# Altium PCB DCI_MB1137 - saved2.PcbDoc (part 1 of 2) (continued)
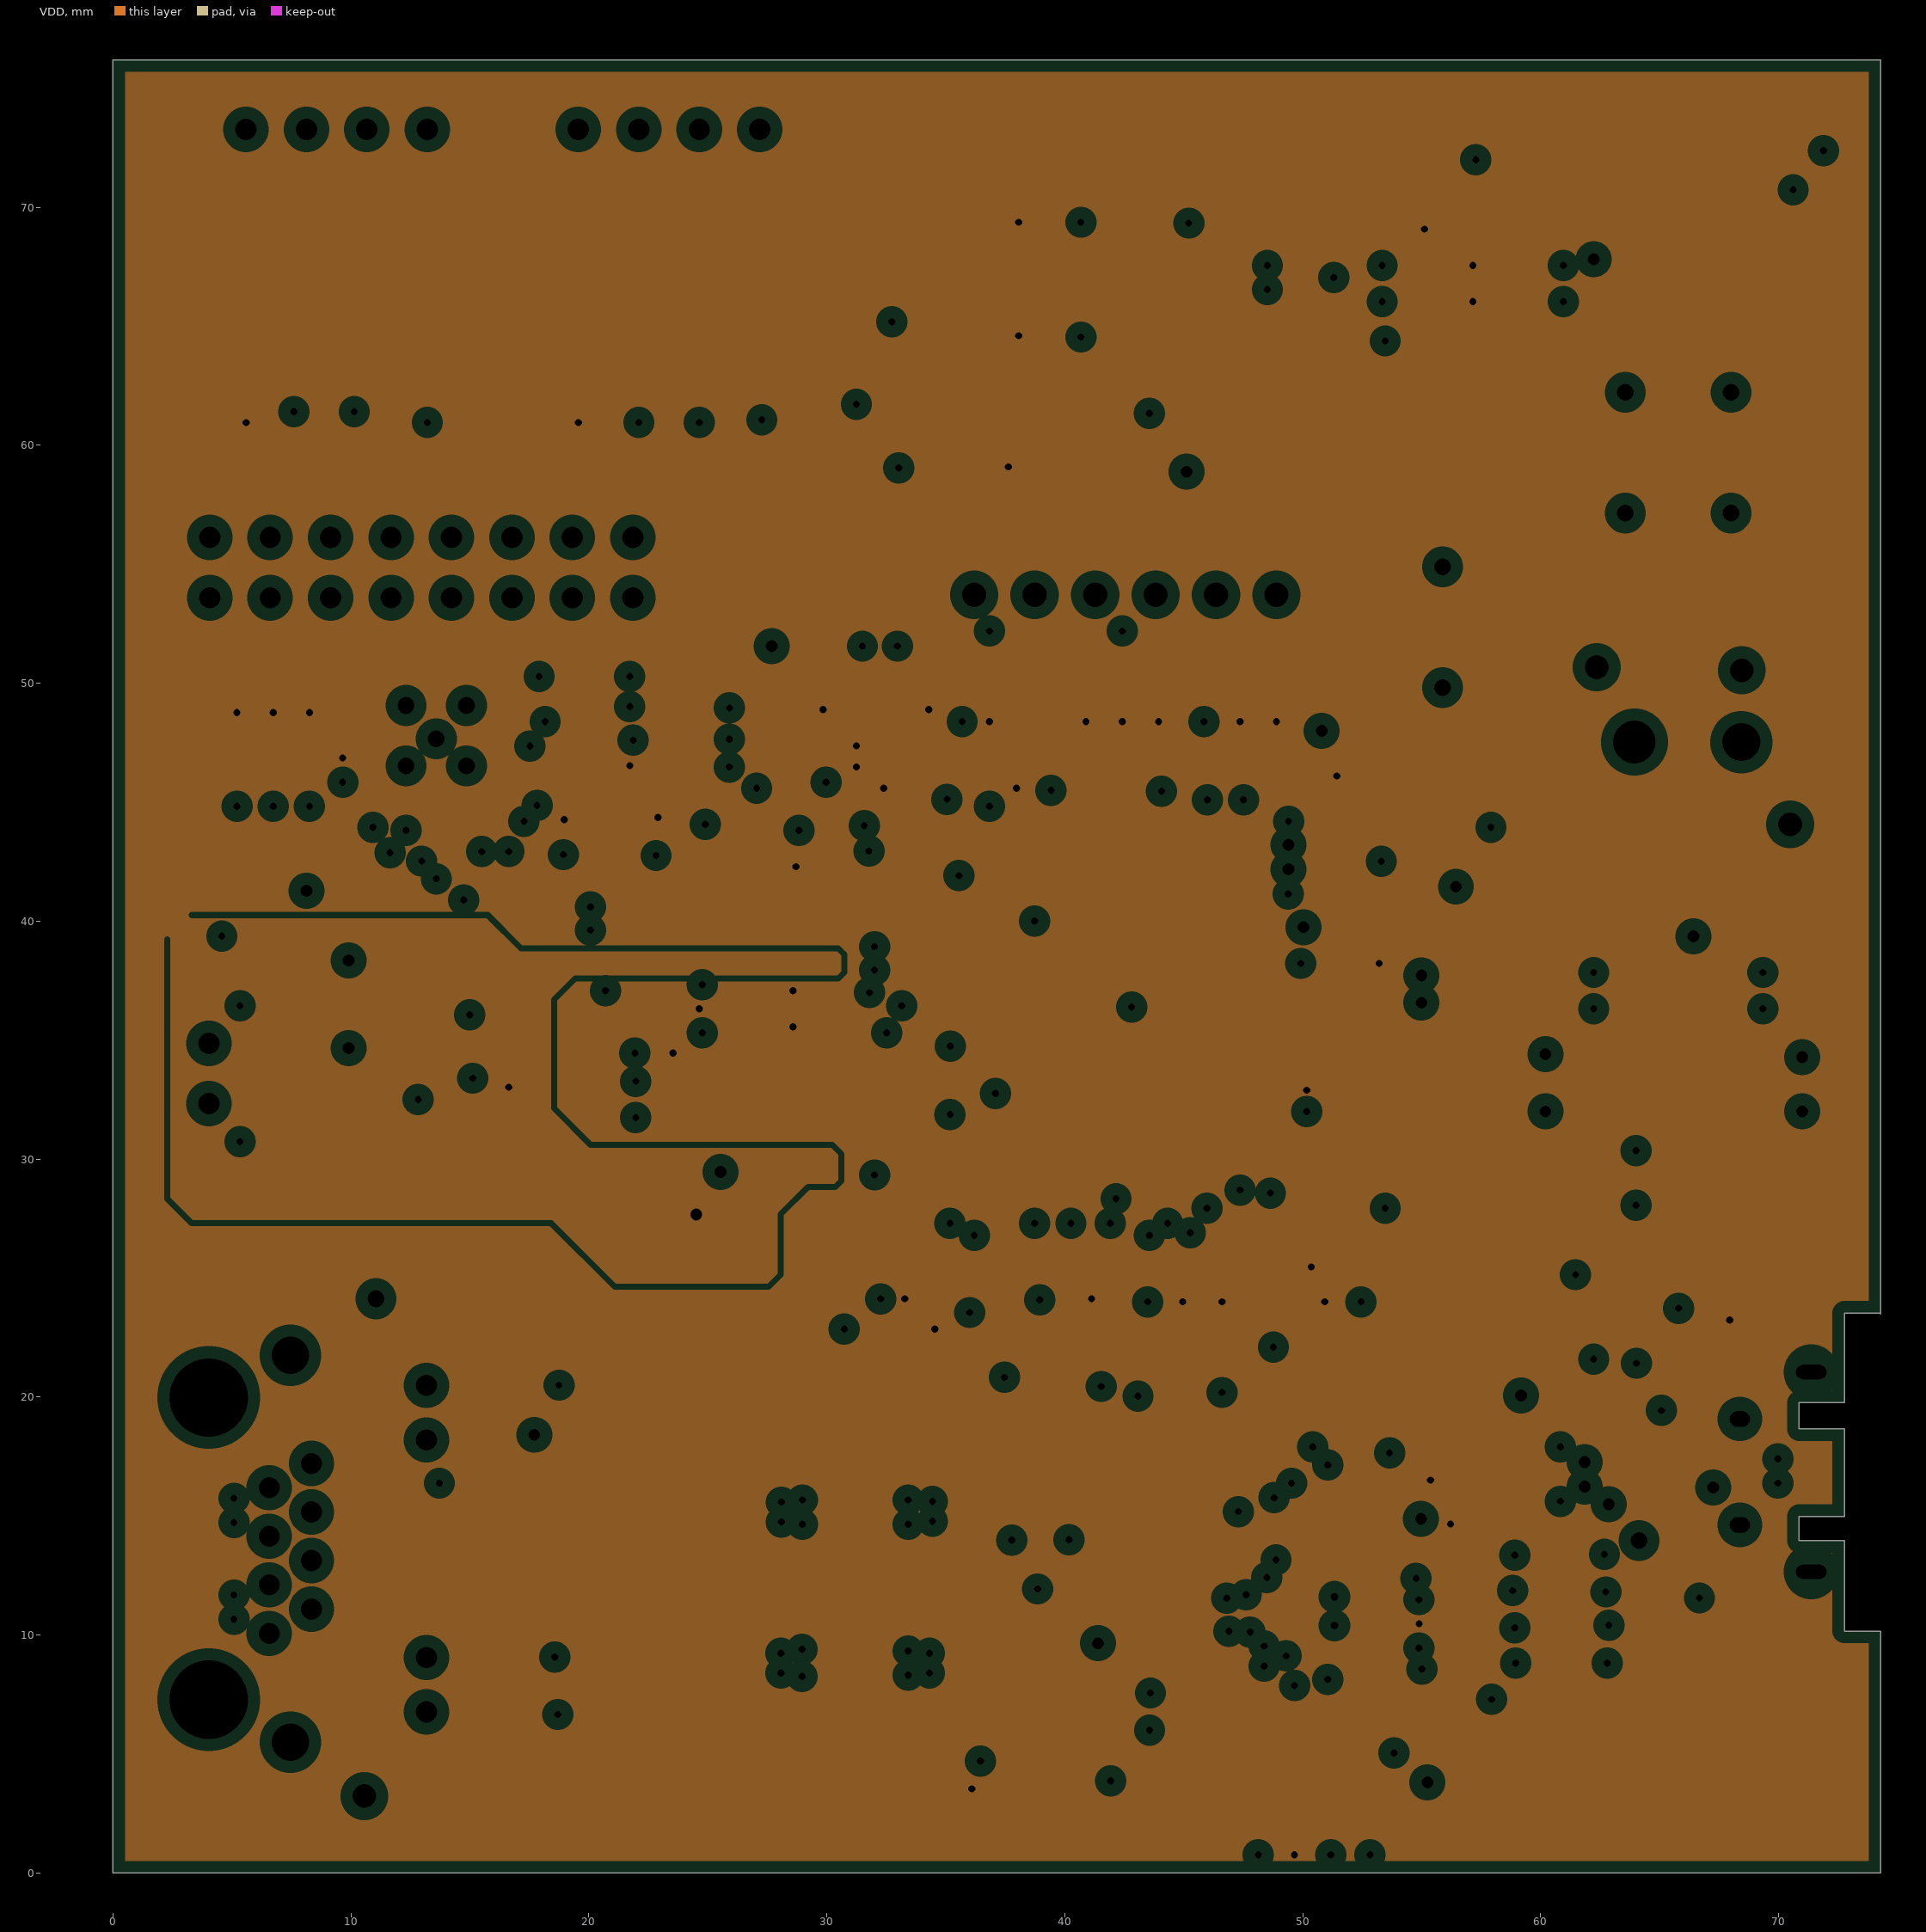
[diagram p3: VDD, clearances drawn from the general rule]
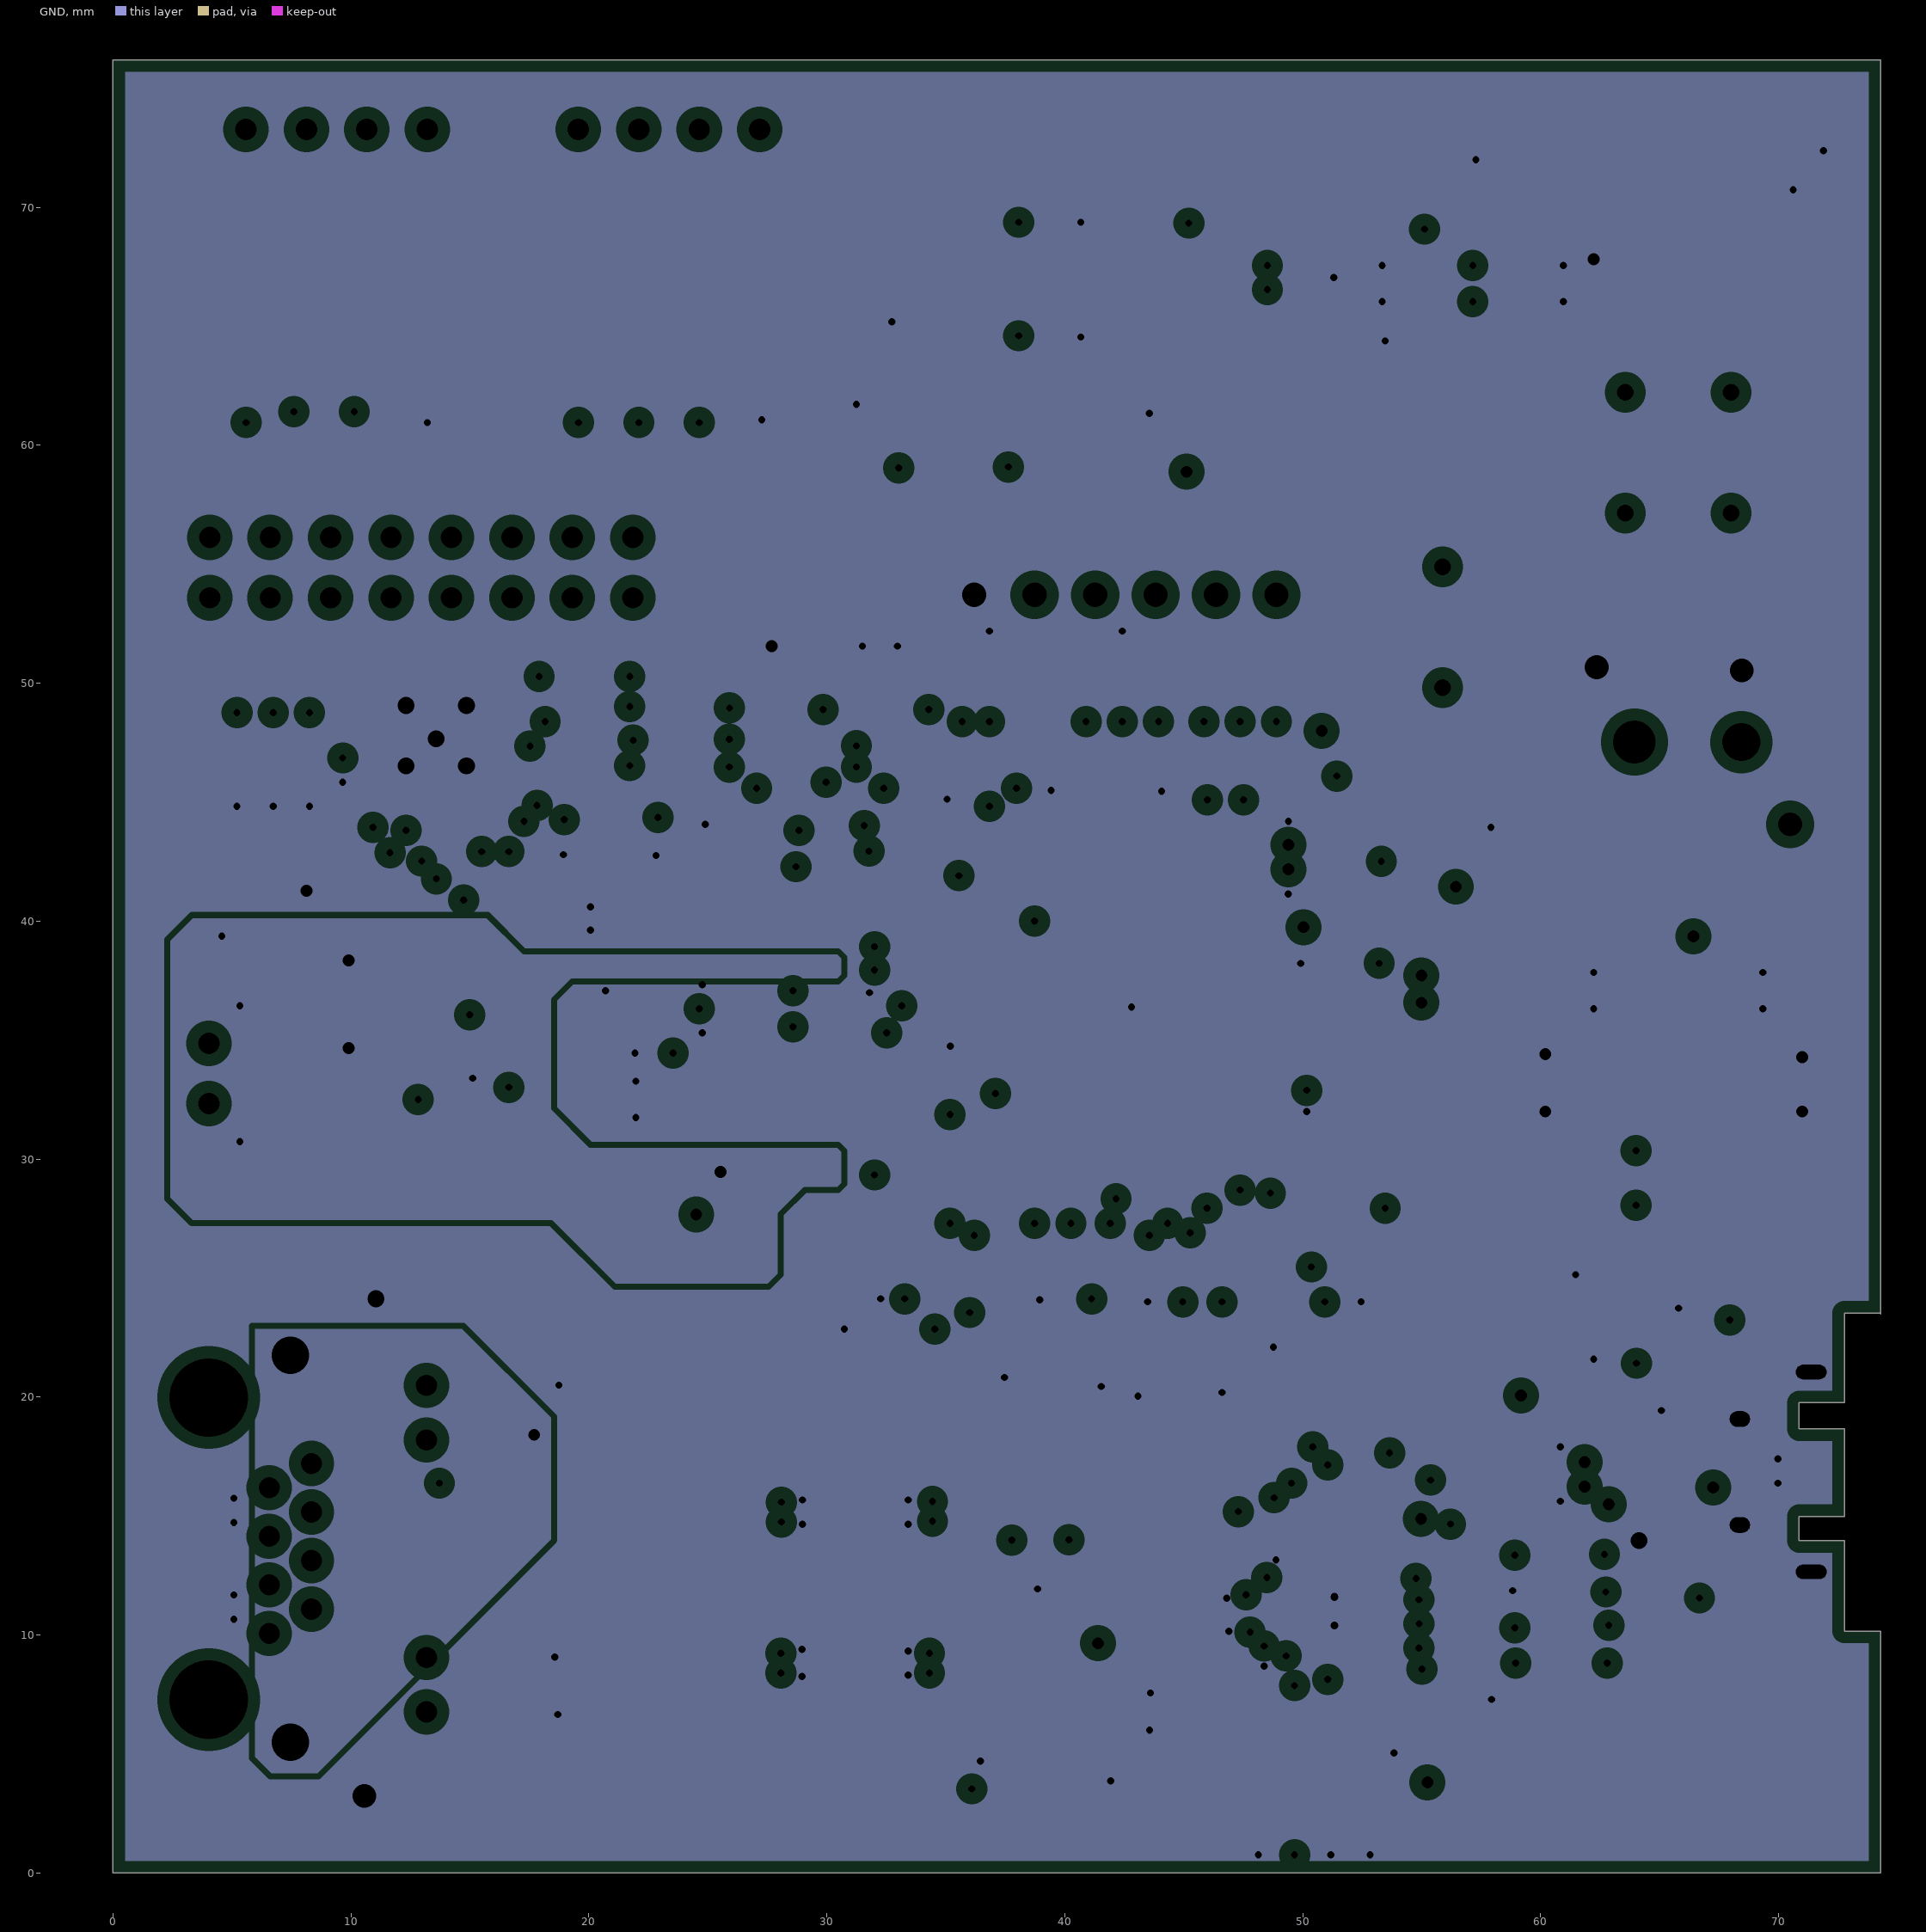
[diagram p4: GND, clearances drawn from the general rule]
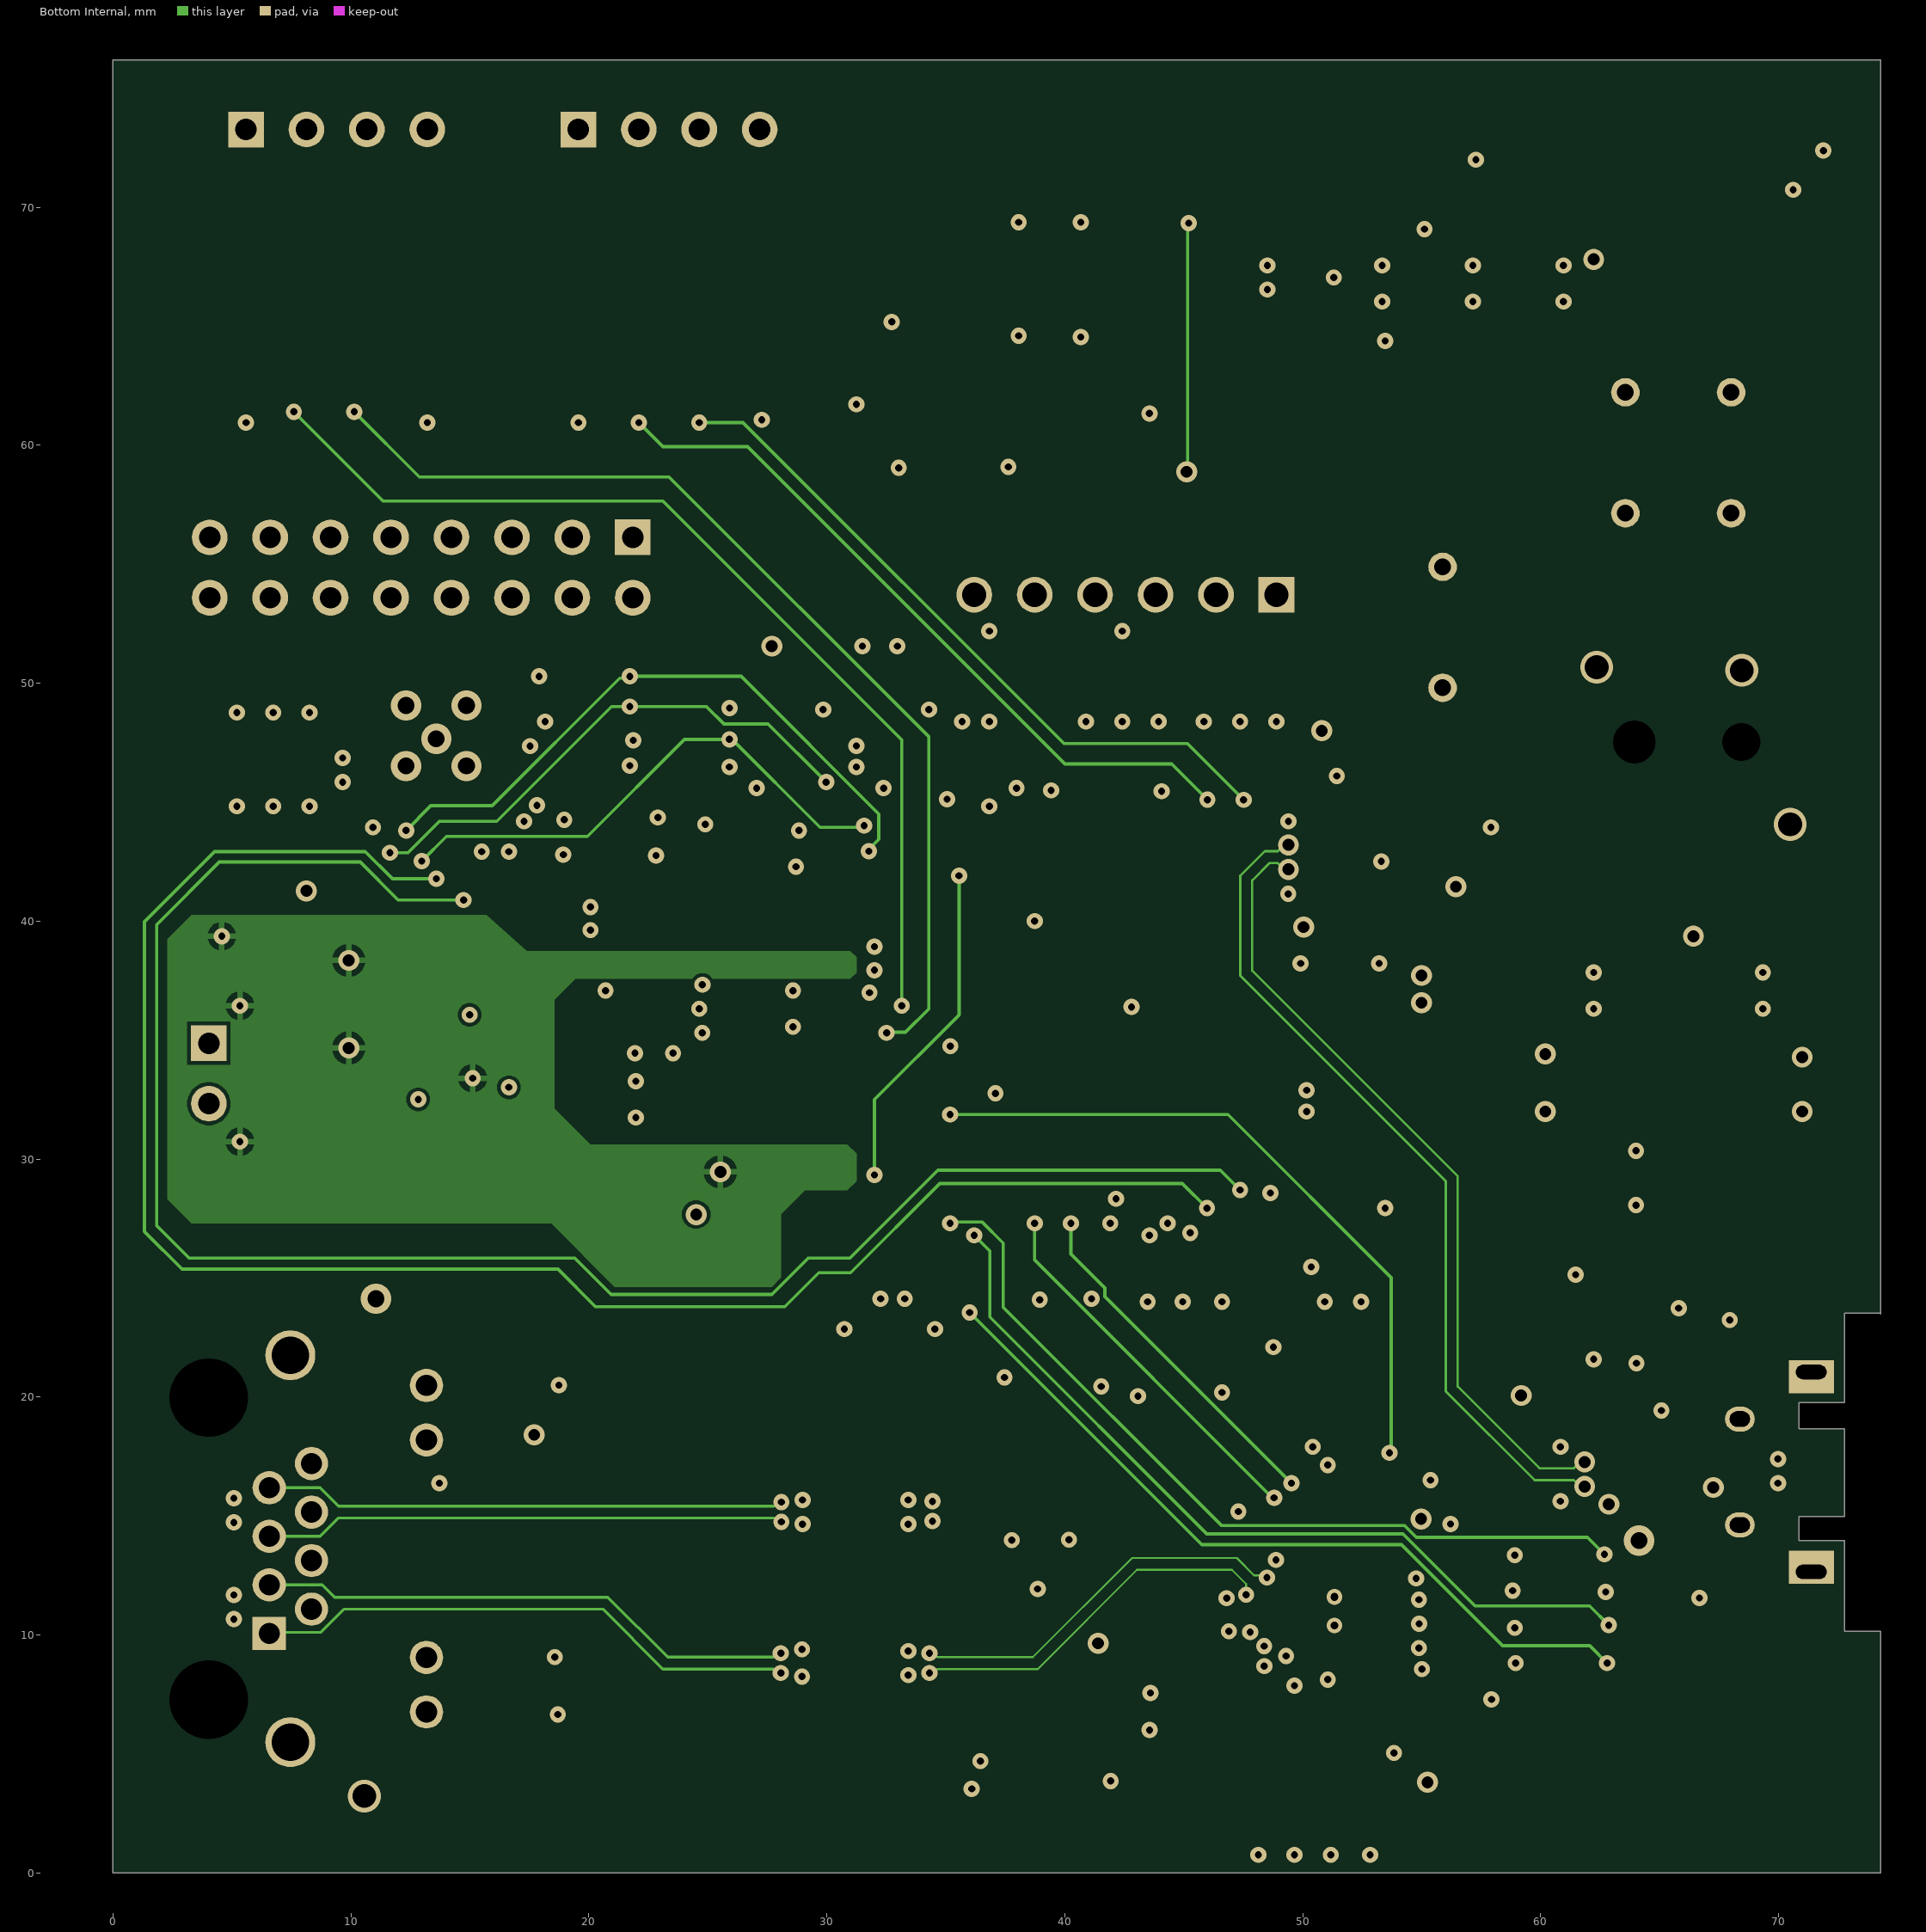
[diagram p5: Bottom Internal]

## Layer stack, top to bottom
Top Solder: solder mask 0.0254, SM-001, Dk 4
Top Layer: signal copper 0.035
Dielectric 2: prepreg 0.1295, PP-017, Dk 4.3
Top Internal: signal copper 0.035
Dielectric 3: core 0.254, Core-028, Dk 4.3
VDD: plane copper 0.035, net VDD
Dielectric 4: prepreg 0.0686, PP-005, Dk 4.1
Dielectric 5: prepreg 0.0686, PP-005, Dk 4.1
GND: plane copper 0.035, net (Multiple Nets)
Dielectric 6: core 0.254, Core-028, Dk 4.3
Bottom Internal: signal copper 0.035
Dielectric 7: prepreg 0.1295, PP-017, Dk 4.3
Bottom Layer: signal copper 0.035
Bottom Solder: solder mask 0.0254, SM-001, Dk 4

## Board outline
74.295,23.495 74.261,23.529 72.771,23.529 72.771,19.762 70.866,19.762 70.866,18.669 72.771,18.669 72.771,14.986 70.866,14.986 70.866,13.97 72.771,13.97 72.771,10.16 74.295,10.16 74.295,0 0,0 0,76.2 74.295,76.2

## Design rules (kind name [scope] priority, off if disabled: settings)
Clearance [All] p1: gap=0.15 ignorepadtopadclearanceinfootprint=FALSE
DiffPairsRouting DiffPairsRoutingUSB [InDifferentialPair('USB_D')] p1: maxlimit=0.127 minlimit=0.127 mostfreqgap=0.127 toplayer_minwidth=0.159 toplayer_maxwidth=0.159 toplayer_prefwidth=0.291 midlayer1_minwidth=0.097 midlayer1_maxwidth=0.097 midlayer1_prefwidth=0.14 midlayer2_minwidth=0.097 midlayer2_maxwidth=0.097 midlayer2_prefwidth=0.14 bottomlayer_minwidth=0.159 bottomlayer_maxwidth=0.159 bottomlayer_prefwidth=0.291 impedanceprofiledriven=TRUE impedanceprofileid={2B1072ED-5DD3-4CAC-A783-B6429BCA7300} impedanceprofilevalue=90.000000 maxuncoupledlength=12.7
DiffPairsRouting DiffPairsRoutingEthernet1 [InDifferentialPair('TD')] p2: maxlimit=0.157 minlimit=0.152 mostfreqgap=0.207 toplayer_maxgap=0.152 toplayer_prefgap=0.152 toplayer_minwidth=0.173 toplayer_maxwidth=0.173 toplayer_prefwidth=0.247 midlayer1_mingap=0.157 midlayer1_minwidth=0.082 midlayer1_maxwidth=0.082 midlayer1_prefwidth=0.205 midlayer2_mingap=0.157 midlayer2_minwidth=0.082 midlayer2_maxwidth=0.082 midlayer2_prefwidth=0.205 bottomlayer_maxgap=0.152 bottomlayer_prefgap=0.152 bottomlayer_minwidth=0.173 bottomlayer_maxwidth=0.173 bottomlayer_prefwidth=0.247 impedanceprofiledriven=TRUE impedanceprofileid={3F6FC6CD-D111-466B-ADC6-63F995F25ABB} impedanceprofilevalue=100.000000 maxuncoupledlength=5
DiffPairsRouting DiffPairsRoutingEthernet2 [InDifferentialPair('RD')] p3: maxlimit=0.157 minlimit=0.152 mostfreqgap=0.207 toplayer_maxgap=0.152 toplayer_prefgap=0.152 toplayer_minwidth=0.173 toplayer_maxwidth=0.173 toplayer_prefwidth=0.247 midlayer1_mingap=0.157 midlayer1_minwidth=0.082 midlayer1_maxwidth=0.082 midlayer1_prefwidth=0.205 midlayer2_mingap=0.157 midlayer2_minwidth=0.082 midlayer2_maxwidth=0.082 midlayer2_prefwidth=0.205 bottomlayer_maxgap=0.152 bottomlayer_prefgap=0.152 bottomlayer_minwidth=0.173 bottomlayer_maxwidth=0.173 bottomlayer_prefwidth=0.247 impedanceprofiledriven=TRUE impedanceprofileid={3F6FC6CD-D111-466B-ADC6-63F995F25ABB} impedanceprofilevalue=100.000000 maxuncoupledlength=12.7
HoleSize [All] p1: absolutevalues=TRUE maxlimit=10 minlimit=0.3 maxpercent=80.000 minpercent=20.000
MatchedLengths "Schematic Matched Net Lengths_3" [InNet('RD_P')] p1: tolerance=2.54 checknetsindiffpair=TRUE checkdiffpairvsdiffpair=FALSE checkxsignals=FALSE checkothers=FALSE
MatchedLengths "Schematic Matched Net Lengths_2" [InNet('TD_P')] p2: tolerance=2.54 checknetsindiffpair=TRUE checkdiffpairvsdiffpair=FALSE checkxsignals=FALSE checkothers=FALSE
MatchedLengths "Schematic Matched Net Lengths_1" [InNet('RD_N')] p3: tolerance=2.54 checknetsindiffpair=TRUE checkdiffpairvsdiffpair=FALSE checkxsignals=FALSE checkothers=FALSE
MatchedLengths "Schematic Matched Net Lengths" [InNet('TD_N')] p4: tolerance=2.54 checknetsindiffpair=TRUE checkdiffpairvsdiffpair=FALSE checkxsignals=FALSE checkothers=FALSE
MinimumAnnularRing [All] p1: minimumring=0.19
MinimumSolderMaskSliver [All] p1: minsoldermaskwidth=0.08
PlaneClearance [All] p1: clearance=0.508
PlaneConnect [All] p1: planeconnectstyle=Relief reliefexpansion=0.508 reliefentries=4 reliefconductorwidth=0.254 reliefairgap=0.254
PolygonConnect [All] p1: connectstyle=Relief reliefconductorwidth=0.254 reliefentries=4 polygonreliefangle="90 Angle" airgapwidth=0.254
RoomDefinition U_Ethernet [InComponentClass('U_Ethernet')] p1: confinementstyle=ConfineIn formatcopy=TRUE lockcomponents=FALSE outline -2.159,0.889 62.738,0.889 62.738,25.146 -2.159,25.146
RoomDefinition U_DC1_ADC_Conditioning [InComponentClass('U_DC1_ADC_Conditioning')] p2: confinementstyle=ConfineIn formatcopy=TRUE lockcomponents=FALSE outline 17.488,26.743 17.488,40.332 2.375,40.332 2.375,26.743
RoomDefinition U_DCI_TCAN_1 [InComponentClass('U_DCI_TCAN_1')] p3: confinementstyle=ConfineIn formatcopy=TRUE lockcomponents=FALSE outline 16.383,57.785 16.383,77.597 2.413,77.597 2.413,57.785
RoomDefinition U_DCI_TCAN_2 [InComponentClass('U_DCI_TCAN_2')] p4: confinementstyle=ConfineIn formatcopy=TRUE lockcomponents=FALSE outline 30.353,57.785 30.353,77.597 16.383,77.597 16.383,57.785
RoomDefinition U_MCU_144 [InComponentClass('U_MCU_144')] p5: confinementstyle=ConfineIn formatcopy=TRUE lockcomponents=FALSE outline 0.254,16.383 60.579,16.383 60.579,75.946 0.254,75.946
RoomDefinition U_USB [InComponentClass('U_USB')] p6: confinementstyle=ConfineIn formatcopy=TRUE lockcomponents=FALSE outline 75.184,39.116 54.483,39.116 54.483,9.906 75.184,9.906
RoomDefinition U_DCI_MCU_Power [InComponentClass('U_DCI_MCU_Power')] p7: confinementstyle=ConfineIn formatcopy=TRUE lockcomponents=FALSE outline 75.057,39.116 75.057,76.103 51.535,76.103 51.535,39.116
RoutingVias RoutingHoles [All] p1 off: holewidth=5 width=5.38 viastyle="Through Hole" minholewidth=0.3 minwidth=0.68 maxholewidth=10 maxwidth=10.38
RoutingVias [All] p2: holewidth=0.5 width=0.88 viastyle="Through Hole" minholewidth=0.3 minwidth=0.68 maxholewidth=1 maxwidth=1.38
SilkToSilkClearance [All] p1 off: silktosilkclearance=0.254
SilkToSolderMaskClearance [IsPad] p1: minsilkscreentomaskgap=0.01 clearancetoexposedcopper=TRUE
SolderMaskExpansion [All] p1: expansion=0.06 istentingtop=FALSE
UnRoutedNet [All] p1: checkbadconnections=TRUE
Width Width_PWR [InNetClass('PWR')] p1: maxlimit=0.8 minlimit=0.15 preferedwidth=0.5
Width [All] p2: maxlimit=0.32 minlimit=0.137 preferedwidth=0.754 toplayer_minwidth=0.32 midlayer1_maxwidth=0.137 midlayer1_prefwidth=0.389 midlayer2_maxwidth=0.137 midlayer2_prefwidth=0.389 bottomlayer_minwidth=0.32 impedanceprofiledriven=TRUE impedanceprofileid={99B2A6A2-8BA9-4008-817C-3DED64678C34} impedanceprofilevalue=50.000000 minimp=50.000000 maximp=50.000000 favimp=50.000000
22 further rules are at their usual default settings.

## Classes and differential pairs
net class PWR: +5V +12V AGND AVDD AVDD_COND GND PWR_JACK SHIELD VDD VDD_ETHERNET
channel class DCI_TCAN: U_DCI_TCAN_1 U_DCI_TCAN_2
component class U_DCI_TCAN_2: P1_U_DCI_TCAN_2 R23_U_DCI_TCAN_2 U4_U_DCI_TCAN_2
component class U_DCI_TCAN_1: P1_U_DCI_TCAN_1 R23_U_DCI_TCAN_1 U4_U_DCI_TCAN_1
component class U_DCI_MCU_Power: C14 C15 C16 C17 C18 C19 J2 LD1 R28 TP_5V TP_12V TP_GND1 TP_PJ TP_V U6 U7 W2 W3 W4
component class U_USB: C64 C65 C66 C67 C68 C69 C70 C71 CN42 D41 LD43 R56 R57 R58 R59 R60 R61 T41
component class U_MCU_144: B41 B42 C41 C42 C43 C44 C45 C46 C47 C48 C49 C50 C51 C52 C53 C54 C55 C56 C57 C58 C59 C60 C61 C62 C63 C72 C73 C74 C75 C76 CN41 L41 LD41 LD42 P41 R0 R41 R42 R43 R44 R45 R46 R47 R48 R49 R50 R51 R52 R53 R54 R55 TP_AGND TP_AV U41 U42 U43 USB_SOF X41 X42
component class U_Ethernet: C1 C2 C3 C4 C5 C6 C7 C8 C9 C10 C11 C12 J1 L1 R1 R2 R3 R4 R5 R6 R7 R8 R9 R10 R11 R12 R13 R14 R15 R16 R17 R18 R19 R20 R21 R22 R29 R30 TP_AV_ETH TP_EGND U1 U2 U3 X1
component class U_DC1_ADC_Conditioning: C13 L2 P2 R24 R25 R26 R27 TP_AV_C U5
differential pair TX: +TX_P -TX_N
differential pair RX: +RX_P -RX_N
differential pair CAN_U_DCI_TCAN_2: +CAN_U_DCI_TCAN_2_P -CAN_U_DCI_TCAN_2_N
differential pair CAN_U_DCI_TCAN_1: +CAN_U_DCI_TCAN_1_P -CAN_U_DCI_TCAN_1_N
differential pair USB_D: +USB_D_P -USB_D_N
differential pair TD: +TD_P -TD_N
differential pair RD: +RD_P -RD_N
